# KiCad board arena_10_of_10_v1r1.kicad_pcb (continued)
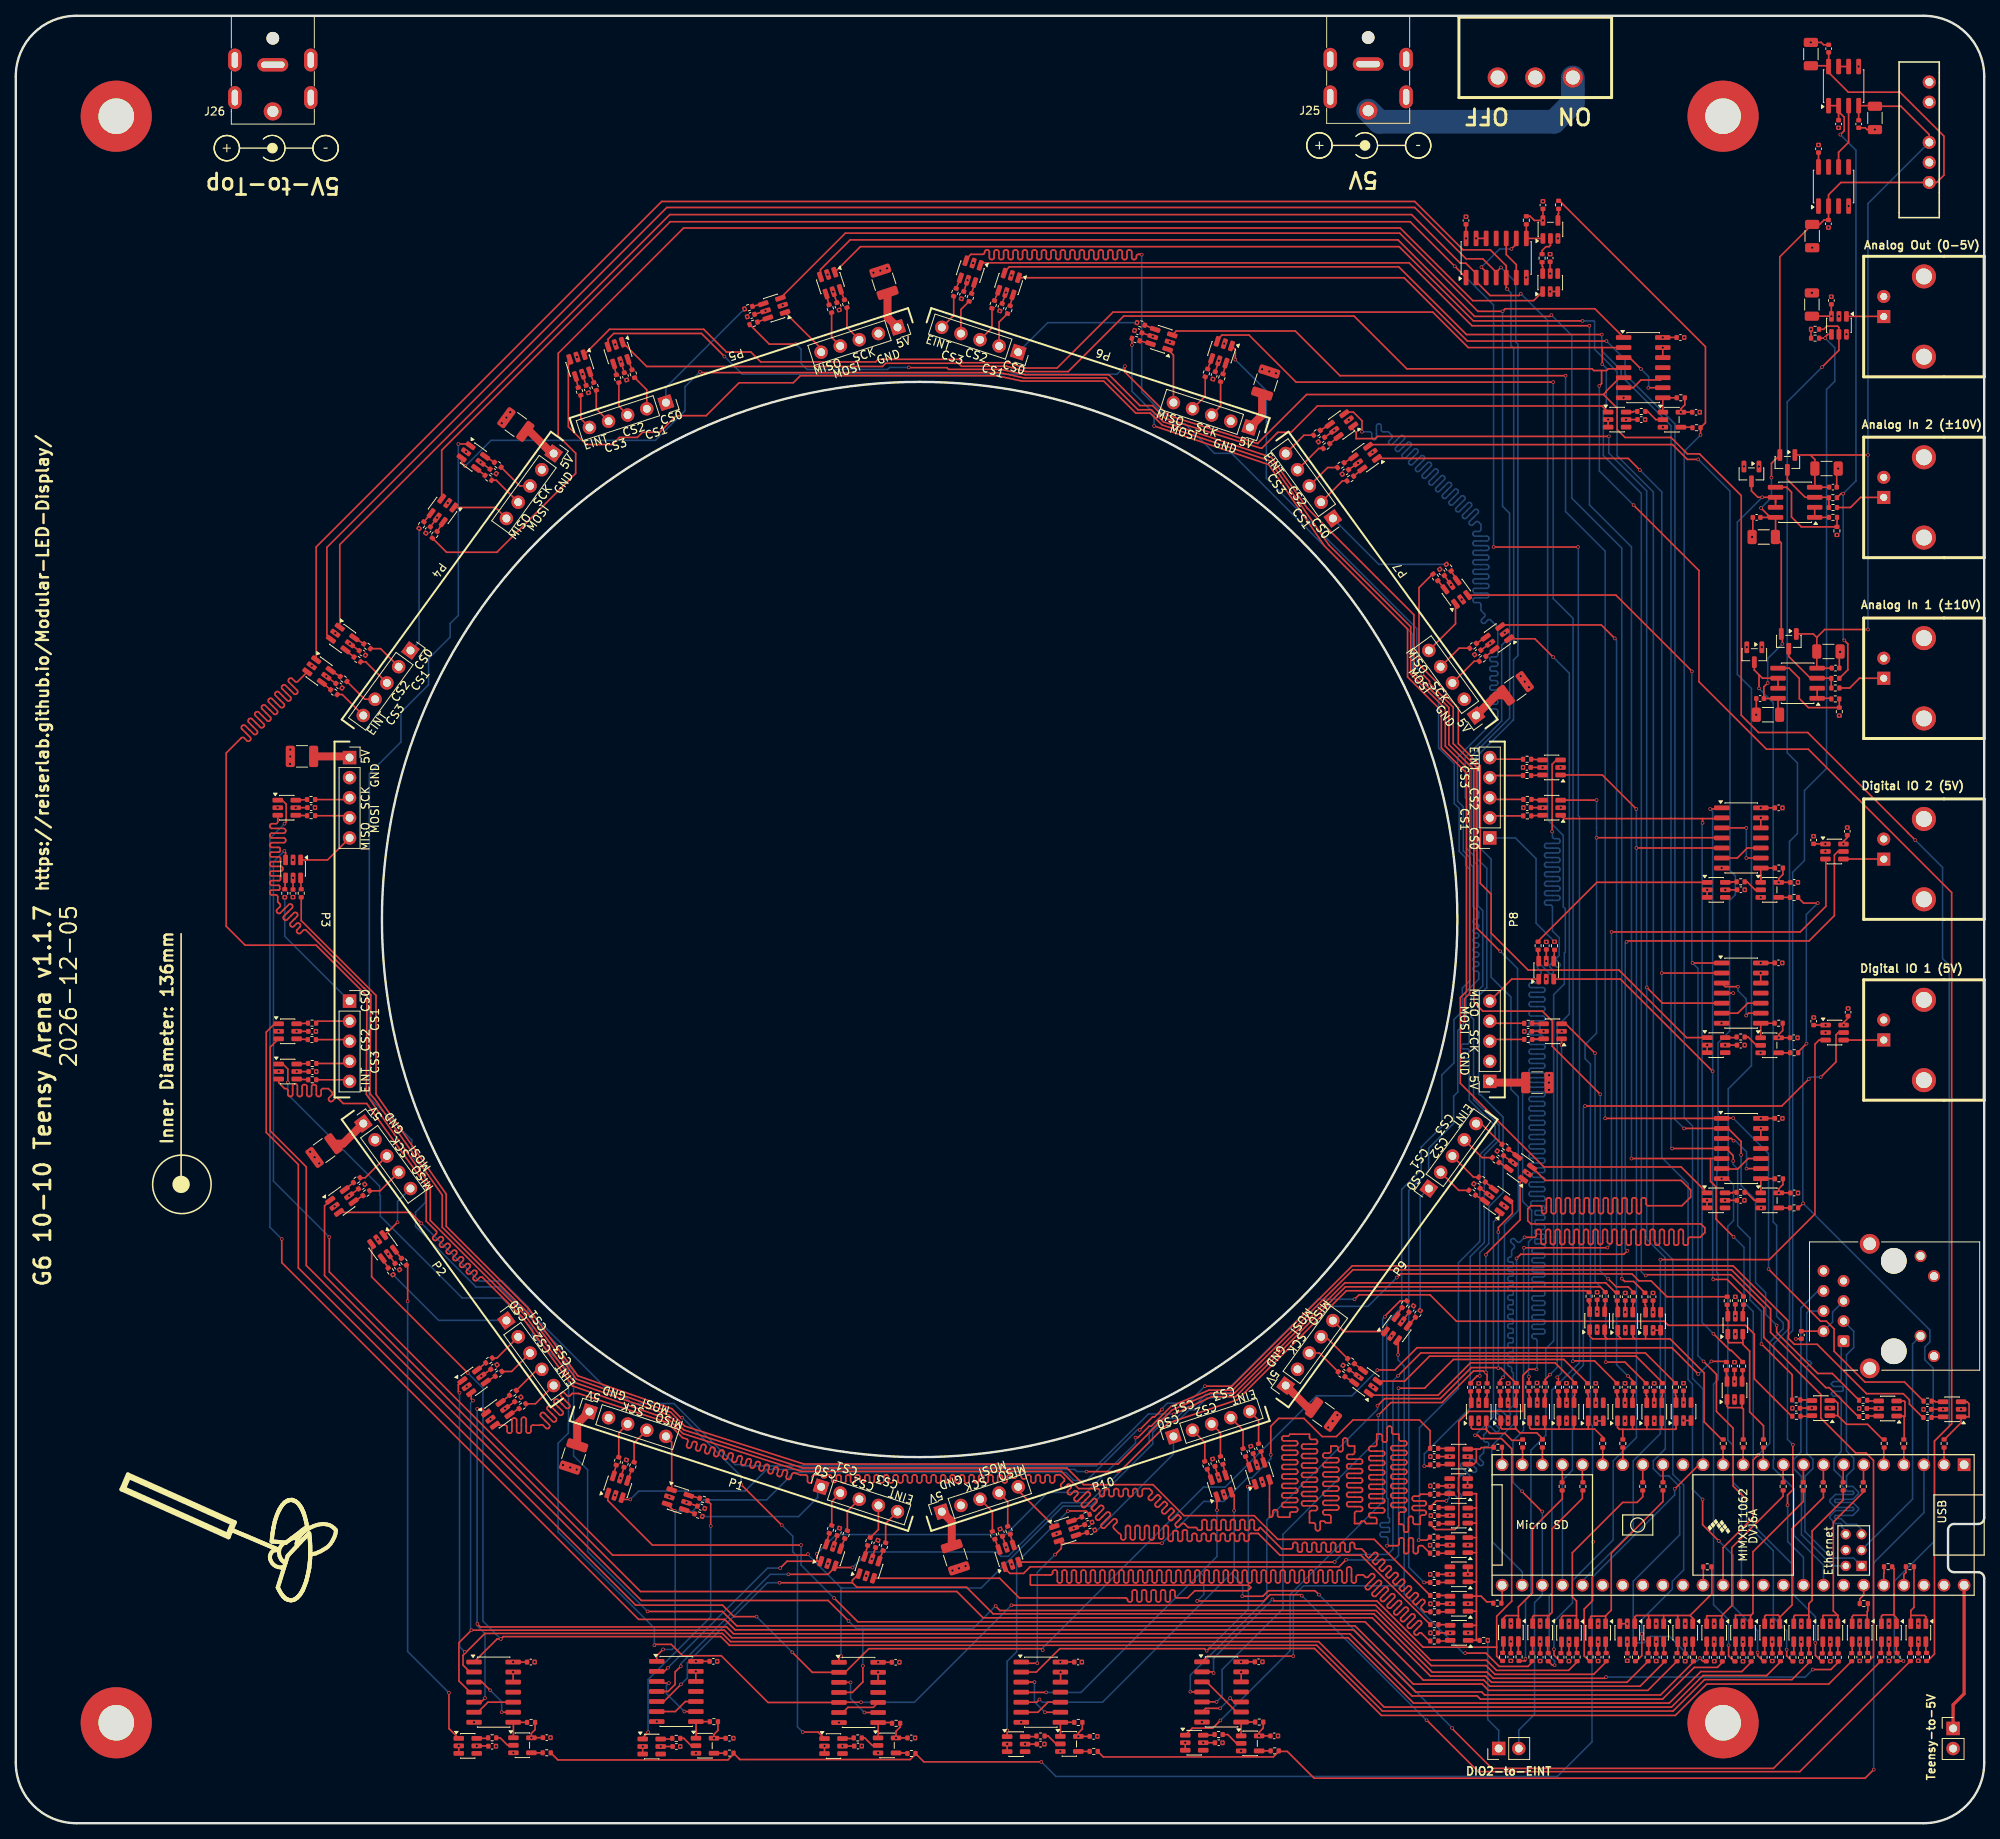
[diagram p0: board, top side]
## Routing (per net, layer and track width the routed paths; a pad name or vN(x,y) marks a point on that pad's centre or on a via; arc(x,y) is an arc through that point) (continued)
/Fan Out/PAN.EINT_P2: length 260
  Top w0.2: U49.3 61.89,50.33 arc(62.06,50.26) 62.13,50.09 62.13,49.57 arc(62.2,49.4) 62.37,49.33 62.49,49.33 arc(62.66,49.4) 62.73,49.57 62.73,50.99 arc(62.8,51.16) 62.97,51.23 63.09,51.23 arc(63.26,51.16) 63.33,50.99 63.33,49.57 arc(63.4,49.4) 63.57,49.33 63.69,49.33 arc(63.86,49.4) 63.93,49.57 63.93,51.09 arc(64,51.26) 64.17,51.33 64.29,51.33 arc(64.46,51.26) 64.53,51.09 64.53,49.57 arc(64.6,49.4) 64.77,49.33 64.89,49.33 arc(65.06,49.4) 65.13,49.57 65.13,50.09 arc(65.2,50.26) 65.37,50.33 66.33,50.33 arc(66.5,50.4) 66.67,50.33 67.04,49.97 arc(67.21,49.89) 67.38,49.97 67.46,50.05 arc(67.53,50.22) 67.46,50.39 66.39,51.46 arc(66.32,51.63) 66.39,51.8 66.47,51.89 arc(66.64,51.96) 66.81,51.89 67.89,50.81 arc(68.06,50.74) 68.23,50.81 68.31,50.9 arc(68.38,51.07) 68.31,51.24 67.24,52.31 arc(67.17,52.48) 67.24,52.65 67.32,52.74 arc(67.49,52.81) 67.66,52.74 68.74,51.66 arc(68.91,51.59) 69.08,51.66 69.16,51.75 arc(69.23,51.92) 69.16,52.09 68.09,53.16 arc(68.02,53.33) 68.09,53.5 68.17,53.59 arc(68.34,53.66) 68.51,53.59 69.59,52.51 arc(69.76,52.44) 69.92,52.51 70.01,52.6 arc(70.08,52.77) 70.01,52.93 68.93,54.01 arc(68.86,54.18) 68.93,54.35 69.02,54.43 arc(69.19,54.5) 69.36,54.43 69.73,54.07 arc(69.9,54) 70.07,54.07 70.35,54.35 71.18,54.35 82.4,50.67 84.31,48.76 84.83,48.59 arc(84.97,48.48) 84.99,48.29 84.83,47.8 arc(84.85,47.61) 84.99,47.5 85.1,47.46 arc(85.29,47.48) 85.41,47.62 85.56,48.11 arc(85.68,48.25) 85.86,48.27 85.98,48.23 arc(86.12,48.11) 86.13,47.93 85.98,47.44 arc(85.99,47.25) 86.13,47.13 86.25,47.1 arc(86.43,47.11) 86.55,47.25 86.71,47.75 arc(86.82,47.89) 87.01,47.91 87.12,47.87 arc(87.26,47.75) 87.28,47.57 87.12,47.07 arc(87.14,46.89) 87.28,46.77 87.39,46.74 arc(87.58,46.75) 87.69,46.89 87.85,47.39 arc(87.97,47.53) 88.15,47.55 88.27,47.51 arc(88.41,47.39) 88.42,47.21 88.27,46.71 arc(88.28,46.53) 88.42,46.41 88.54,46.38 arc(88.72,46.39) 88.84,46.53 89,47.03 arc(89.11,47.17) 89.3,47.18 89.41,47.15 arc(89.55,47.03) 89.57,46.85 89.41,46.35 arc(89.43,46.17) 89.57,46.05 89.68,46.01 arc(89.86,46.03) 89.98,46.17 90.14,46.67 arc(90.26,46.81) 90.44,46.82 90.56,46.79 arc(90.7,46.67) 90.71,46.49 90.56,45.99 arc(90.57,45.81) 90.71,45.69 90.83,45.65 arc(91.01,45.67) 91.13,45.81 91.28,46.31 arc(91.4,46.45) 91.59,46.46 91.7,46.43 arc(91.84,46.31) 91.86,46.12 91.7,45.63 arc(91.72,45.45) 91.86,45.33 91.97,45.29 arc(92.15,45.31) 92.27,45.45 92.43,45.94 arc(92.55,46.08) 92.73,46.1 92.84,46.06 arc(92.98,45.95) 93,45.76 92.84,45.27 arc(92.86,45.08) 93,44.97 93.11,44.93 arc(93.3,44.95) 93.42,45.09 93.57,45.58 arc(93.69,45.72) 93.87,45.74 93.99,45.7 arc(94.13,45.59) 94.14,45.4 93.99,44.91 arc(94,44.72) 94.14,44.61 94.26,44.57 arc(94.44,44.59) 94.56,44.73 94.72,45.22 arc(94.84,45.36) 95.02,45.38 95.13,45.34 arc(95.27,45.22) 95.29,45.04 95.13,44.55 arc(95.15,44.36) 95.29,44.24 95.4,44.21 arc(95.59,44.22) 95.7,44.36 95.86,44.86 arc(95.98,45) 96.16,45.02 96.28,44.98 arc(96.42,44.86) 96.43,44.68 96.28,44.18 arc(96.29,44) 96.43,43.88 96.55,43.85 arc(96.73,43.86) 96.85,44 97.01,44.5 arc(97.12,44.64) 97.31,44.66 97.42,44.62 arc(97.56,44.5) 97.58,44.32 97.42,43.82 arc(97.44,43.64) 97.58,43.52 97.69,43.49 arc(97.88,43.5) 97.99,43.64 98.15,44.14 arc(98.27,44.28) 98.45,44.29 99.22,44.05 99.88,44.05 arc(100.04,43.98) 100.12,43.81 100.12,43.29 arc(100.19,43.12) 100.35,43.05 100.47,43.05 arc(100.64,43.12) 100.72,43.29 100.72,43.81 arc(100.79,43.98) 100.96,44.05 101.72,44.05 arc(101.85,44) 101.9,43.88 arc(101.95,43.75) 102.07,43.7 102.32,43.7 arc(102.45,43.75) 102.5,43.88 arc(102.55,44) 102.68,44.05 102.93,44.05 arc(103.09,43.98) 103.16,43.81 103.16,43.34 arc(103.24,43.17) 103.41,43.1 103.53,43.1 arc(103.69,43.17) 103.76,43.34 103.76,43.81 arc(103.84,43.98) 104,44.05 104.12,44.05 arc(104.29,43.98) 104.37,43.81 104.37,43.29 arc(104.44,43.12) 104.6,43.05 104.72,43.05 arc(104.89,43.12) 104.97,43.29 104.97,43.81 arc(105.04,43.98) 105.21,44.05 105.32,44.05 arc(105.49,43.98) 105.56,43.81 105.56,43.29 arc(105.64,43.12) 105.81,43.05 105.93,43.05 arc(106.09,43.12) 106.16,43.29 106.16,43.81 arc(106.24,43.98) 106.41,44.05 106.53,44.05 arc(106.69,43.98) 106.76,43.81 106.76,43.29 arc(106.84,43.12) 107,43.05 107.12,43.05 arc(107.29,43.12) 107.37,43.29 107.37,43.81 arc(107.44,43.98) 107.6,44.05 107.72,44.05 arc(107.89,43.98) 107.97,43.81 107.97,43.29 arc(108.04,43.12) 108.21,43.05 108.32,43.05 arc(108.49,43.12) 108.56,43.29 108.56,43.81 arc(108.64,43.98) 108.81,44.05 108.93,44.05 arc(109.09,43.98) 109.16,43.81 109.16,43.29 arc(109.24,43.12) 109.41,43.05 109.53,43.05 arc(109.69,43.12) 109.76,43.29 109.76,43.81 arc(109.84,43.98) 110,44.05 110.12,44.05 arc(110.29,43.98) 110.37,43.81 110.37,43.29 arc(110.44,43.12) 110.6,43.05 110.72,43.05 arc(110.89,43.12) 110.97,43.29 110.97,43.81 arc(111.04,43.98) 111.21,44.05 111.32,44.05 arc(111.49,43.98) 111.56,43.81 111.56,43.29 arc(111.64,43.12) 111.81,43.05 111.93,43.05 arc(112.09,43.12) 112.16,43.29 112.16,43.81 arc(112.24,43.98) 112.41,44.05 112.53,44.05 arc(112.69,43.98) 112.76,43.81 112.76,43.29 arc(112.84,43.12) 113,43.05 113.12,43.05 arc(113.29,43.12) 113.37,43.29 113.37,43.81 arc(113.44,43.98) 113.6,44.05 113.72,44.05 arc(113.89,43.98) 113.97,43.81 113.97,43.29 arc(114.04,43.12) 114.21,43.05 114.32,43.05 arc(114.49,43.12) 114.56,43.29 114.56,43.81 arc(114.64,43.98) 114.81,44.05 114.93,44.05 arc(115.09,43.98) 115.16,43.81 115.16,43.29 arc(115.24,43.12) 115.41,43.05 115.53,43.05 arc(115.69,43.12) 115.76,43.29 115.76,43.81 arc(115.84,43.98) 116,44.05 116.12,44.05 arc(116.29,43.98) 116.37,43.81 116.37,43.29 arc(116.44,43.12) 116.6,43.05 116.72,43.05 arc(116.89,43.12) 116.97,43.29 116.97,43.81 arc(117.04,43.98) 117.21,44.05 117.32,44.05 arc(117.49,43.98) 117.56,43.81 117.56,43.29 arc(117.64,43.12) 117.81,43.05 117.93,43.05 arc(118.09,43.12) 118.16,43.29 118.16,43.81 arc(118.24,43.98) 118.41,44.05 118.53,44.05 arc(118.69,43.98) 118.76,43.81 118.76,43.29 arc(118.84,43.12) 119,43.05 119.12,43.05 arc(119.29,43.12) 119.37,43.29 119.37,43.81 arc(119.44,43.98) 119.6,44.05 119.72,44.05 arc(119.89,43.98) 119.97,43.81 119.97,43.29 arc(120.04,43.12) 120.21,43.05 120.32,43.05 arc(120.49,43.12) 120.56,43.29 120.56,43.81 arc(120.64,43.98) 120.81,44.05 120.93,44.05 arc(121.09,43.98) 121.16,43.81 121.16,43.29 arc(121.24,43.12) 121.41,43.05 121.53,43.05 arc(121.69,43.12) 121.76,43.29 121.76,43.81 arc(121.84,43.98) 122,44.05 122.12,44.05 arc(122.29,43.98) 122.37,43.81 122.37,43.29 arc(122.44,43.12) 122.6,43.05 122.72,43.05 arc(122.89,43.12) 122.97,43.29 122.97,43.81 arc(123.04,43.98) 123.21,44.05 123.32,44.05 arc(123.49,43.98) 123.56,43.81 123.56,43.29 arc(123.64,43.12) 123.81,43.05 123.93,43.05 arc(124.09,43.12) 124.16,43.29 124.16,43.81 arc(124.24,43.98) 124.41,44.05 124.53,44.05 arc(124.69,43.98) 124.76,43.81 124.76,43.29 arc(124.84,43.12) 125,43.05 125.12,43.05 arc(125.29,43.12) 125.37,43.29 125.37,43.81 arc(125.44,43.98) 125.6,44.05 125.72,44.05 arc(125.87,43.99) 125.93,43.85 arc(125.98,43.71) 126.12,43.65 126.32,43.65 arc(126.47,43.71) 126.53,43.85 arc(126.58,43.99) 126.72,44.05 126.93,44.05 arc(127.09,43.98) 127.16,43.81 127.16,43.79 arc(127.24,43.62) 127.41,43.55 127.53,43.55 arc(127.69,43.62) 127.76,43.79 127.76,43.81 arc(127.84,43.98) 128,44.05 128.12,44.05 arc(128.29,43.98) 128.37,43.81 128.37,43.29 arc(128.44,43.12) 128.6,43.05 128.72,43.05 arc(128.89,43.12) 128.97,43.29 128.97,43.81 arc(129.04,43.98) 129.21,44.05 129.32,44.05 arc(129.49,43.98) 129.56,43.81 129.56,43.29 arc(129.64,43.12) 129.81,43.05 129.93,43.05 arc(130.09,43.12) 130.16,43.29 130.16,43.81 arc(130.24,43.98) 130.41,44.05 130.53,44.05 arc(130.69,43.98) 130.76,43.81 130.76,43.29 arc(130.84,43.12) 131,43.05 131.12,43.05 arc(131.29,43.12) 131.37,43.29 131.37,43.81 arc(131.44,43.98) 131.6,44.05 132.1,44.05 132.56,43.59 arc(132.63,43.42) 132.56,43.25 132.19,42.88 arc(132.12,42.71) 132.19,42.54 132.28,42.46 arc(132.45,42.39) 132.62,42.46 132.98,42.83 arc(133.15,42.9) 133.32,42.83 133.41,42.74 arc(133.48,42.57) 133.41,42.4 133.04,42.03 arc(132.97,41.87) 133.04,41.7 133.13,41.61 arc(133.3,41.54) 133.46,41.61 133.83,41.98 arc(134,42.05) 134.17,41.98 134.26,41.89 arc(134.33,41.72) 134.26,41.55 133.89,41.19 arc(133.82,41.02) 133.89,40.85 133.97,40.76 arc(134.14,40.69) 134.31,40.76 135.39,41.84 arc(135.56,41.91) 135.73,41.84 135.81,41.75 arc(135.88,41.58) 135.81,41.41 134.81,40.41 arc(134.74,40.24) 134.81,40.07 134.89,39.98 arc(135.06,39.91) 135.23,39.98 136.24,40.99 arc(136.41,41.06) 136.58,40.99 136.66,40.9 arc(136.73,40.73) 136.66,40.56 136.04,39.94 arc(136,39.85) 136.04,39.76 136.28,39.51 arc(136.37,39.48) 136.46,39.51 137.09,40.14 arc(137.25,40.21) 137.42,40.14 137.51,40.05 arc(137.58,39.89) 137.51,39.72 136.61,38.82 arc(136.54,38.65) 136.61,38.48 136.7,38.39 arc(136.87,38.32) 137.04,38.39 137.93,39.29 arc(138.1,39.36) 138.27,39.29 138.36,39.21 arc(138.43,39.04) 138.36,38.87 137.28,37.79 arc(137.21,37.62) 137.28,37.45 137.37,37.37 arc(137.54,37.3) 137.71,37.37 138.78,38.44 arc(138.95,38.51) 139.12,38.44 139.21,38.36 arc(139.28,38.19) 139.21,38.02 138.84,37.65 arc(138.77,37.48) 138.84,37.31 139.5,36.65 arc(139.67,36.58) 139.74,36.41 139.74,36.09 arc(139.81,35.92) 139.98,35.85 140.1,35.85 arc(140.27,35.92) 140.34,36.09 140.34,37.41 arc(140.41,37.58) 140.58,37.65 140.7,37.65 arc(140.87,37.58) 140.94,37.41 140.94,36.09 arc(141.01,35.92) 141.18,35.85 141.3,35.85 arc(141.47,35.92) 141.54,36.09 141.54,37.41 arc(141.61,37.58) 141.78,37.65 141.9,37.65 arc(142.07,37.58) 142.14,37.41 142.14,36.09 arc(142.21,35.92) 142.38,35.85 142.5,35.85 arc(142.67,35.92) 142.74,36.09 142.74,37.41 arc(142.81,37.58) 142.98,37.65 143.1,37.65 arc(143.27,37.58) 143.34,37.41 143.34,36.09 arc(143.41,35.92) 143.58,35.85 143.7,35.85 arc(143.87,35.92) 143.94,36.09 143.94,37.41 arc(144.01,37.58) 144.18,37.65 144.3,37.65 arc(144.47,37.58) 144.54,37.41 144.54,36.19 arc(144.61,36.02) 144.78,35.95 144.9,35.95 arc(145.07,36.02) 145.14,36.19 145.14,37.41 arc(145.21,37.58) 145.38,37.65 145.5,37.65 arc(145.67,37.58) 145.74,37.41 145.74,35.89 arc(145.81,35.72) 145.98,35.65 146.1,35.65 arc(146.27,35.72) 146.34,35.89 146.34,36.82 arc(146.39,36.95) 146.52,37 146.77,37 arc(146.89,36.95) 146.94,36.82 146.94,35.89 arc(147.01,35.72) 147.18,35.65 147.3,35.65 arc(147.47,35.72) 147.54,35.89 147.54,36.87 arc(147.61,37.03) 147.77,37.1 147.92,37.1 arc(148.08,37.03) 148.14,36.87 148.14,35.89 arc(148.21,35.72) 148.38,35.65 148.5,35.65 arc(148.67,35.72) 148.74,35.89 148.74,36.41 arc(148.81,36.58) 148.98,36.65 149.1,36.65 arc(149.27,36.58) 149.34,36.41 149.34,35.89 arc(149.41,35.72) 149.58,35.65 149.7,35.65 arc(149.87,35.72) 149.94,35.89 149.94,36.41 arc(150.01,36.58) 150.18,36.65 150.3,36.65 arc(150.47,36.58) 150.54,36.41 150.54,35.89 arc(150.61,35.72) 150.78,35.65 150.9,35.65 arc(151.07,35.72) 151.14,35.89 151.14,36.41 arc(151.21,36.58) 151.38,36.65 151.5,36.65 arc(151.67,36.58) 151.74,36.41 151.74,35.89 arc(151.81,35.72) 151.98,35.65 152.1,35.65 arc(152.27,35.72) 152.34,35.89 152.34,36.41 arc(152.41,36.58) 152.58,36.65 152.7,36.65 arc(152.87,36.58) 152.94,36.41 152.94,35.89 arc(153.01,35.72) 153.18,35.65 153.3,35.65 arc(153.47,35.72) 153.54,35.89 153.54,36.41 arc(153.61,36.58) 153.78,36.65 153.9,36.65 arc(154.07,36.58) 154.14,36.41 154.14,35.89 arc(154.21,35.72) 154.38,35.65 154.5,35.65 arc(154.67,35.72) 154.74,35.89 154.74,36.41 arc(154.81,36.58) 154.98,36.65 155.1,36.65 arc(155.27,36.58) 155.34,36.41 155.34,35.89 arc(155.41,35.72) 155.58,35.65 155.7,35.65 arc(155.87,35.72) 155.94,35.89 155.94,36.41 arc(156.01,36.58) 156.18,36.65 157.11,36.65 159.85,33.9 170.09,33.9 R94.2
/Fan Out/PAN.EINT_P3: length 261
  Top w0.2: R95.2 178.14,26.74 177.77,27.11 arc(177.7,27.28) 177.77,27.45 178.13,27.82 arc(178.2,27.99) 178.13,28.16 178.05,28.25 arc(177.88,28.32) 177.71,28.25 177.1,27.64 arc(177.03,27.61) 176.96,27.64 176.68,27.92 arc(176.65,27.99) 176.68,28.06 177.29,28.67 arc(177.36,28.84) 177.29,29.01 177.2,29.09 arc(177.03,29.17) 176.86,29.09 176.25,28.49 arc(176.18,28.46) 176.11,28.49 175.83,28.77 arc(175.8,28.84) 175.83,28.91 176.44,29.52 arc(176.51,29.69) 176.44,29.86 176.35,29.94 arc(176.18,30.01) 176.01,29.94 175.4,29.34 arc(175.33,29.31) 175.26,29.34 174.98,29.62 arc(174.95,29.69) 174.98,29.76 175.59,30.37 arc(175.66,30.54) 175.59,30.71 175.5,30.79 arc(175.33,30.86) 175.16,30.79 174.56,30.18 arc(174.49,30.15) 174.41,30.18 174.13,30.47 arc(174.1,30.54) 174.13,30.61 174.74,31.22 arc(174.81,31.39) 174.74,31.56 174.66,31.64 arc(174.49,31.71) 174.32,31.64 173.71,31.03 arc(173.64,31) 173.57,31.03 173.28,31.32 arc(173.25,31.39) 173.28,31.46 173.89,32.06 arc(173.96,32.23) 173.89,32.4 173.81,32.49 arc(173.64,32.56) 173.47,32.49 172.86,31.88 arc(172.79,31.85) 172.72,31.88 172.43,32.16 arc(172.41,32.23) 172.43,32.31 173.04,32.91 arc(173.11,33.08) 173.04,33.25 172.96,33.34 arc(172.79,33.41) 172.62,33.34 172.01,32.73 arc(171.94,32.7) 171.87,32.73 171.59,33.01 arc(171.56,33.08) 171.59,33.15 172.19,33.76 arc(172.26,33.93) 172.19,34.1 172.11,34.19 arc(171.94,34.26) 171.77,34.19 171.16,33.58 arc(171.09,33.55) 171.02,33.58 170.74,33.86 arc(170.71,33.93) 170.74,34 arc(170.77,34.07) 170.74,34.14 170.18,34.7 169.53,34.7 arc(169.36,34.77) 169.29,34.94 169.29,35.26 arc(169.22,35.43) 169.05,35.5 168.93,35.5 arc(168.76,35.43) 168.69,35.26 168.69,34.5 arc(168.63,34.36) 168.49,34.3 168.29,34.3 arc(168.15,34.36) 168.09,34.5 168.09,35.26 arc(168.02,35.43) 167.85,35.5 167.73,35.5 arc(167.56,35.43) 167.49,35.26 167.49,34.5 arc(167.43,34.36) 167.29,34.3 167.09,34.3 arc(166.95,34.36) 166.89,34.5 166.89,35.26 arc(166.82,35.43) 166.65,35.5 166.53,35.5 arc(166.36,35.43) 166.29,35.26 166.29,34.5 arc(166.23,34.36) 166.09,34.3 165.89,34.3 arc(165.75,34.36) 165.69,34.5 165.69,35.26 arc(165.62,35.43) 165.45,35.5 165.33,35.5 arc(165.16,35.43) 165.09,35.26 165.09,34.5 arc(165.03,34.36) 164.89,34.3 164.69,34.3 arc(164.55,34.36) 164.49,34.5 164.49,35.26 arc(164.42,35.43) 164.25,35.5 164.13,35.5 arc(163.96,35.43) 163.89,35.26 163.89,34.5 arc(163.83,34.36) 163.69,34.3 163.49,34.3 arc(163.35,34.36) 163.29,34.5 163.29,35.26 arc(163.22,35.43) 163.05,35.5 162.93,35.5 arc(162.76,35.43) 162.69,35.26 162.69,34.5 arc(162.63,34.36) 162.49,34.3 162.29,34.3 arc(162.15,34.36) 162.09,34.5 162.09,35.26 arc(162.02,35.43) 161.85,35.5 161.73,35.5 arc(161.56,35.43) 161.49,35.26 161.49,34.94 arc(161.42,34.77) 161.25,34.7 160.08,34.7 157.39,37.4 arc(157.26,37.35) 157.21,37.22 arc(157.16,37.1) 157.04,37.05 156.79,37.05 arc(156.66,37.1) 156.61,37.22 156.61,38.16 arc(156.54,38.33) 156.37,38.4 156.25,38.4 arc(156.08,38.33) 156.01,38.16 156.01,37.22 arc(155.96,37.1) 155.84,37.05 155.59,37.05 arc(155.46,37.1) 155.41,37.22 155.41,38.16 arc(155.34,38.33) 155.17,38.4 155.05,38.4 arc(154.88,38.33) 154.81,38.16 154.81,37.22 arc(154.76,37.1) 154.64,37.05 154.39,37.05 arc(154.26,37.1) 154.21,37.22 154.21,38.16 arc(154.14,38.33) 153.97,38.4 153.85,38.4 arc(153.68,38.33) 153.61,38.16 153.61,37.22 arc(153.56,37.1) 153.44,37.05 153.19,37.05 arc(153.06,37.1) 153.01,37.22 153.01,38.16 arc(152.94,38.33) 152.77,38.4 152.65,38.4 arc(152.48,38.33) 152.41,38.16 152.41,37.22 arc(152.36,37.1) 152.24,37.05 151.99,37.05 arc(151.86,37.1) 151.81,37.22 151.81,38.16 arc(151.74,38.33) 151.57,38.4 151.45,38.4 arc(151.28,38.33) 151.21,38.16 151.21,37.22 arc(151.16,37.1) 151.04,37.05 150.79,37.05 arc(150.66,37.1) 150.61,37.22 150.61,38.16 arc(150.54,38.33) 150.37,38.4 150.25,38.4 arc(150.08,38.33) 150.01,38.16 150.01,37.22 arc(149.96,37.1) 149.84,37.05 149.59,37.05 arc(149.46,37.1) 149.41,37.22 arc(149.36,37.35) 149.24,37.4 148.27,37.4 147.81,37.86 arc(147.64,37.93) 147.47,37.86 147.1,37.49 arc(146.93,37.42) 146.76,37.49 146.68,37.57 arc(146.61,37.74) 146.68,37.91 147.3,38.54 arc(147.34,38.63) 147.3,38.72 147.05,38.96 arc(146.97,39) 146.88,38.96 146.25,38.34 arc(146.08,38.27) 145.91,38.34 145.83,38.42 arc(145.76,38.59) 145.83,38.76 146.45,39.39 arc(146.49,39.48) 146.45,39.57 146.21,39.81 arc(146.12,39.85) 146.03,39.81 145.4,39.19 arc(145.23,39.12) 145.06,39.19 144.98,39.27 arc(144.91,39.44) 144.98,39.61 145.6,40.24 arc(145.64,40.33) 145.6,40.41 145.36,40.66 arc(145.27,40.7) 145.18,40.66 144.55,40.04 arc(144.38,39.97) 144.21,40.04 144.13,40.12 arc(144.06,40.29) 144.13,40.46 144.76,41.09 arc(144.79,41.17) 144.76,41.26 144.51,41.51 arc(144.42,41.55) 144.33,41.51 143.71,40.88 arc(143.54,40.81) 143.37,40.88 143.28,40.97 arc(143.21,41.14) 143.28,41.31 143.65,41.68 arc(143.72,41.85) 143.65,42.02 143.35,42.32 142.7,42.32 arc(142.53,42.25) 142.46,42.08 142.46,41.56 arc(142.39,41.39) 142.22,41.32 142.1,41.32 arc(141.93,41.39) 141.86,41.56 141.86,42.08 arc(141.79,42.25) 141.62,42.32 141.5,42.32 arc(141.33,42.25) 141.26,42.08 141.26,41.56 arc(141.19,41.39) 141.02,41.32 140.9,41.32 arc(140.73,41.39) 140.66,41.56 140.66,42.08 arc(140.59,42.25) 140.42,42.32 140.3,42.32 arc(140.13,42.25) 140.06,42.08 140.06,41.56 arc(139.99,41.39) 139.82,41.32 139.7,41.32 arc(139.53,41.39) 139.46,41.56 139.46,42.08 arc(139.39,42.25) 139.22,42.32 139.1,42.32 arc(138.93,42.25) 138.86,42.08 138.86,41.56 arc(138.79,41.39) 138.62,41.32 138.5,41.32 arc(138.33,41.39) 138.26,41.56 138.26,42.08 arc(138.19,42.25) 138.02,42.32 137.9,42.32 arc(137.73,42.25) 137.66,42.08 137.66,41.56 arc(137.59,41.39) 137.42,41.32 137.3,41.32 arc(137.13,41.39) 137.06,41.56 137.06,42.08 arc(136.99,42.25) 136.82,42.32 134.41,42.32 132.22,44.5 99.35,44.5 84.34,49.29 82.57,51.07 70.4,55.3 64.01,64.04 59.02,69.03 arc(58.85,69.1) 58.68,69.03 58.31,68.66 arc(58.14,68.59) 57.97,68.66 57.89,68.75 arc(57.82,68.92) 57.89,69.09 58.25,69.46 arc(58.32,69.63) 58.25,69.8 58.17,69.88 arc(58,69.95) 57.83,69.88 57.46,69.51 arc(57.29,69.44) 57.12,69.51 57.04,69.6 arc(56.97,69.77) 57.04,69.94 57.41,70.3 arc(57.48,70.47) 57.41,70.64 57.32,70.73 arc(57.15,70.8) 56.98,70.73 56.61,70.36 arc(56.44,70.29) 56.27,70.36 56.19,70.45 arc(56.12,70.62) 56.19,70.79 56.56,71.15 arc(56.63,71.32) 56.56,71.49 56.47,71.58 arc(56.3,71.65) 56.13,71.58 55.76,71.21 arc(55.6,71.14) 55.43,71.21 55.34,71.29 arc(55.27,71.46) 55.34,71.63 55.71,72 arc(55.78,72.17) 55.71,72.34 55.62,72.43 arc(55.45,72.5) 55.28,72.43 54.92,72.06 arc(54.75,71.99) 54.58,72.06 54.49,72.14 arc(54.42,72.31) 54.49,72.48 54.86,72.85 arc(54.93,73.02) 54.86,73.19 54.78,73.27 arc(54.61,73.34) 54.44,73.27 54.07,72.91 arc(53.9,72.84) 53.73,72.91 53.64,72.99 arc(53.57,73.16) 53.64,73.33 54.01,73.7 arc(54.08,73.87) 54.01,74.04 53.93,74.12 arc(53.76,74.19) 53.59,74.12 53.22,73.76 arc(53.05,73.68) 52.88,73.76 52.8,73.84 arc(52.72,74.01) 52.8,74.18 53.16,74.55 arc(53.23,74.72) 53.16,74.89 51.9,76.15 51.9,80.65 44.38,91.03 41.4,91.03 40.74,91.69 arc(40.57,91.76) 40.4,91.69 40.03,91.33 arc(39.86,91.25) 39.69,91.33 39.61,91.41 arc(39.54,91.58) 39.61,91.75 39.98,92.12 arc(40.05,92.29) 39.98,92.46 39.52,92.92 38.85,92.92 arc(38.68,92.85) 38.61,92.68 38.61,92.16 arc(38.54,91.99) 38.37,91.92 38.25,91.92 arc(38.08,91.99) 38.01,92.16 38.01,93.18 arc(37.94,93.35) 37.77,93.42 37.65,93.42 arc(37.48,93.35) 37.41,93.18 37.41,92.16 arc(37.34,91.99) 37.17,91.92 37.05,91.92 arc(36.88,91.99) 36.81,92.16 36.81,93.18 arc(36.74,93.35) 36.57,93.42 36.45,93.42 arc(36.28,93.35) 36.21,93.18 36.21,92.16 arc(36.14,91.99) 35.97,91.92 35.85,91.92 arc(35.68,91.99) 35.61,92.16 35.61,93.28 arc(35.54,93.45) 35.37,93.52 35.25,93.52 arc(35.08,93.45) 35.01,93.28 35.01,92.16 arc(34.94,91.99) 34.77,91.92 34.65,91.92 arc(34.48,91.99) 34.41,92.16 34.41,92.68 arc(34.34,92.85) 34.17,92.92 33.98,92.92 33.25,93.65 U53.3
/Fan Out/PAN.EINT_P4: length 262
  Top w0.2: U57.3 35.65,144.4 arc(35.48,144.33) 35.31,144.4 34.95,144.77 arc(34.78,144.84) 34.61,144.77 34.52,144.68 arc(34.45,144.51) 34.52,144.35 35.6,143.27 arc(35.67,143.1) 35.6,142.93 35.51,142.85 arc(35.34,142.78) 35.17,142.85 34.1,143.92 arc(33.93,143.99) 33.76,143.92 33.67,143.84 arc(33.6,143.67) 33.67,143.5 34.75,142.42 arc(34.82,142.25) 34.75,142.08 34.66,142 arc(34.49,141.93) 34.32,142 33.25,143.07 arc(33.08,143.14) 32.91,143.07 32.82,142.99 arc(32.75,142.82) 32.82,142.65 33.9,141.57 arc(33.97,141.4) 33.9,141.23 33.81,141.15 arc(33.64,141.08) 33.47,141.15 32.4,142.22 arc(32.23,142.29) 32.06,142.22 31.98,142.14 arc(31.9,141.97) 31.98,141.8 33.05,140.72 arc(33.12,140.55) 33.05,140.39 32.97,140.3 arc(32.8,140.23) 32.63,140.3 31.55,141.38 arc(31.38,141.45) 31.21,141.38 31.13,141.29 arc(31.06,141.12) 31.13,140.95 32.2,139.88 arc(32.27,139.71) 32.2,139.54 32.12,139.45 arc(31.95,139.38) 31.78,139.45 30.7,140.53 arc(30.53,140.6) 30.36,140.53 30.28,140.44 arc(30.21,140.27) 30.28,140.1 31.35,139.03 arc(31.42,138.86) 31.35,138.69 31.27,138.6 arc(31.1,138.53) 30.93,138.6 29.85,139.68 arc(29.68,139.75) 29.51,139.68 29.43,139.59 arc(29.36,139.42) 29.43,139.25 30.5,138.18 arc(30.57,138.01) 30.5,137.84 30.42,137.75 arc(30.25,137.68) 30.08,137.75 29.01,138.83 arc(28.84,138.9) 28.67,138.83 28.58,138.74 arc(28.51,138.58) 28.58,138.41 29.66,137.33 arc(29.73,137.16) 29.66,136.99 29.57,136.91 arc(29.4,136.84) 29.23,136.91 28.86,137.27 arc(28.69,137.34) 28.52,137.27 26.6,135.35 26.6,113.45 29,111.05 37.97,111.05 44.4,104.63 44.33,92.2 51.39,82.11 52.41,80.74 52.41,76.24 64.33,64.33 70.62,55.75 82.6,51.6 84.45,49.75 99.53,44.93 132.92,44.93 135.03,42.82 143.8,42.82 147.72,38.9 156.6,38.9 159.6,35.9 171.78,35.9 R96.2
/Fan Out/PAN.EINT_P5: length 261.3
  Top w0.2: R97.2 v1(178.09,30.45) ; v1(183.2,101.1) 183.2,104.28 183.85,104.93 183.85,133.15 180.78,136.23 180.78,140.98 176.4,145.35 176.4,151.33 166.06,161.66 158.6,172.3 144.95,176.85 143.44,178.36 141.62,178.36 137.57,182.4 127.22,182.4 124.07,183.08 99.2,183.08 98.32,182.19 91.46,182.19 87.3,178.03 83.53,178.03 81.43,175.93 79.25,175.93 78.6,175.28 76.32,175.28 75.43,174.38 72.12,174.38 69.88,176.62 69.88,184.96 U61.3
  Bottom w0.2: v1(183.2,101.1) 182.35,100.25 182.35,92.48 181.83,91.95 181.83,88.53 178.66,85.36 178.66,82.54 176.15,80.02 176.15,32.39 v1(178.09,30.45)
/Fan Out/PAN.EINT_P6: length 258.2
  Top w0.2: v1(142.38,198.39) 142.34,198.43 141.95,198.43 arc(141.78,198.36) 141.71,198.19 141.71,198.02 arc(141.64,197.85) 141.47,197.78 141.35,197.78 arc(141.18,197.85) 141.11,198.02 141.11,198.74 arc(141.04,198.91) 140.87,198.98 140.75,198.98 arc(140.58,198.91) 140.51,198.74 140.51,198.02 arc(140.44,197.85) 140.27,197.78 140.15,197.78 arc(139.98,197.85) 139.91,198.02 139.91,198.74 arc(139.84,198.91) 139.67,198.98 139.55,198.98 arc(139.38,198.91) 139.31,198.74 139.31,198.02 arc(139.24,197.85) 139.07,197.78 138.95,197.78 arc(138.78,197.85) 138.71,198.02 138.71,198.74 arc(138.64,198.91) 138.47,198.98 138.35,198.98 arc(138.18,198.91) 138.11,198.74 138.11,198.02 arc(138.04,197.85) 137.87,197.78 137.75,197.78 arc(137.58,197.85) 137.51,198.02 137.51,198.74 arc(137.44,198.91) 137.27,198.98 137.15,198.98 arc(136.98,198.91) 136.91,198.74 136.91,198.02 arc(136.84,197.85) 136.67,197.78 136.55,197.78 arc(136.38,197.85) 136.31,198.02 136.31,198.74 arc(136.24,198.91) 136.07,198.98 135.95,198.98 arc(135.78,198.91) 135.71,198.74 135.71,198.02 arc(135.64,197.85) 135.47,197.78 135.35,197.78 arc(135.18,197.85) 135.11,198.02 135.11,198.74 arc(135.04,198.91) 134.87,198.98 134.75,198.98 arc(134.58,198.91) 134.51,198.74 134.51,198.02 arc(134.44,197.85) 134.27,197.78 134.15,197.78 arc(133.98,197.85) 133.91,198.02 133.91,198.74 arc(133.84,198.91) 133.67,198.98 133.55,198.98 arc(133.38,198.91) 133.31,198.74 133.31,198.02 arc(133.24,197.85) 133.07,197.78 132.95,197.78 arc(132.78,197.85) 132.71,198.02 132.71,198.74 arc(132.64,198.91) 132.47,198.98 132.35,198.98 arc(132.18,198.91) 132.11,198.74 132.11,198.02 arc(132.04,197.85) 131.87,197.78 131.75,197.78 arc(131.58,197.85) 131.51,198.02 131.51,198.74 arc(131.44,198.91) 131.27,198.98 131.15,198.98 arc(130.98,198.91) 130.91,198.74 130.91,198.02 arc(130.84,197.85) 130.67,197.78 130.55,197.78 arc(130.38,197.85) 130.31,198.02 130.31,198.74 arc(130.24,198.91) 130.07,198.98 129.95,198.98 arc(129.78,198.91) 129.71,198.74 129.71,198.02 arc(129.64,197.85) 129.47,197.78 129.35,197.78 arc(129.18,197.85) 129.11,198.02 129.11,198.74 arc(129.04,198.91) 128.87,198.98 128.75,198.98 arc(128.58,198.91) 128.51,198.74 128.51,198.02 arc(128.44,197.85) 128.27,197.78 128.15,197.78 arc(127.98,197.85) 127.91,198.02 127.91,198.74 arc(127.84,198.91) 127.67,198.98 127.55,198.98 arc(127.38,198.91) 127.31,198.74 127.31,198.02 arc(127.24,197.85) 127.07,197.78 126.95,197.78 arc(126.78,197.85) 126.71,198.02 126.71,198.74 arc(126.64,198.91) 126.47,198.98 126.35,198.98 arc(126.18,198.91) 126.11,198.74 126.11,198.02 arc(126.04,197.85) 125.87,197.78 125.75,197.78 arc(125.58,197.85) 125.51,198.02 125.51,198.74 arc(125.44,198.91) 125.27,198.98 125.15,198.98 arc(124.98,198.91) 124.91,198.74 124.91,198.02 arc(124.84,197.85) 124.67,197.78 124.55,197.78 arc(124.38,197.85) 124.31,198.02 124.31,198.74 arc(124.24,198.91) 124.07,198.98 123.95,198.98 arc(123.78,198.91) 123.71,198.74 123.71,198.02 arc(123.64,197.85) 123.47,197.78 123.35,197.78 arc(123.18,197.85) 123.11,198.02 123.11,198.74 arc(123.04,198.91) 122.87,198.98 122.75,198.98 arc(122.58,198.91) 122.51,198.74 122.51,198.67 arc(122.44,198.5) 122.27,198.43 120.77,198.43 120.15,197.81 U65.3 ; R88.2 177.88,35.1 177.57,35.1 arc(177.4,35.03) 177.33,34.86 177.33,34.34 arc(177.26,34.17) 177.09,34.1 176.97,34.1 arc(176.8,34.17) 176.73,34.34 176.73,35.86 arc(176.66,36.03) 176.49,36.1 176.37,36.1 arc(176.2,36.03) 176.13,35.86 176.13,34.34 arc(176.06,34.17) 175.89,34.1 175.77,34.1 arc(175.6,34.17) 175.53,34.34 175.53,35.86 arc(175.46,36.03) 175.29,36.1 175.17,36.1 arc(175,36.03) 174.93,35.86 174.93,35.34 arc(174.86,35.17) 174.69,35.1 v1(173.4,35.1)
  Bottom w0.2: v1(173.4,35.1) 173.53,35.23 173.53,35.97 arc(173.45,36.14) 173.28,36.21 172.76,36.21 arc(172.6,36.28) 172.53,36.45 172.53,36.57 arc(172.6,36.74) 172.76,36.81 173.62,36.81 arc(173.7,36.84) 173.72,36.91 173.72,37.31 arc(173.7,37.38) 173.62,37.41 172.76,37.41 arc(172.6,37.48) 172.53,37.65 172.53,37.77 arc(172.6,37.94) 172.76,38.01 173.62,38.01 arc(173.7,38.04) 173.72,38.11 173.72,38.51 arc(173.7,38.58) 173.62,38.61 arc(173.55,38.64) 173.53,38.71 173.53,41 173.36,41.17 173.36,63.35 175.26,65.25 175.26,80.16 177.72,82.63 177.72,85.51 180.33,88.13 180.33,94.64 181.86,96.17 181.86,101.64 182.92,102.7 182.92,105.63 183.87,106.58 183.87,120.63 183.35,121.14 183.35,122.1 182.53,122.93 182.53,128.35 181.9,128.98 181.9,134.03 179.93,136 179.93,142.36 176.65,145.63 176.65,150.36 153.74,173.27 151.58,173.27 147.88,176.97 146.43,176.97 142.38,181.02 v1(142.38,198.39)